# Altium PCB PCB1.PcbDoc (part 3 of 3)
Units mm, origin at the board's own origin, x right, y up, seen from the top; angles counter-clockwise.
Board outline 185.67 x 127.25 mm, 2 copper layers (Top Layer, Bottom Layer); 163 components, 132 nets, 740 pads, 201 vias.
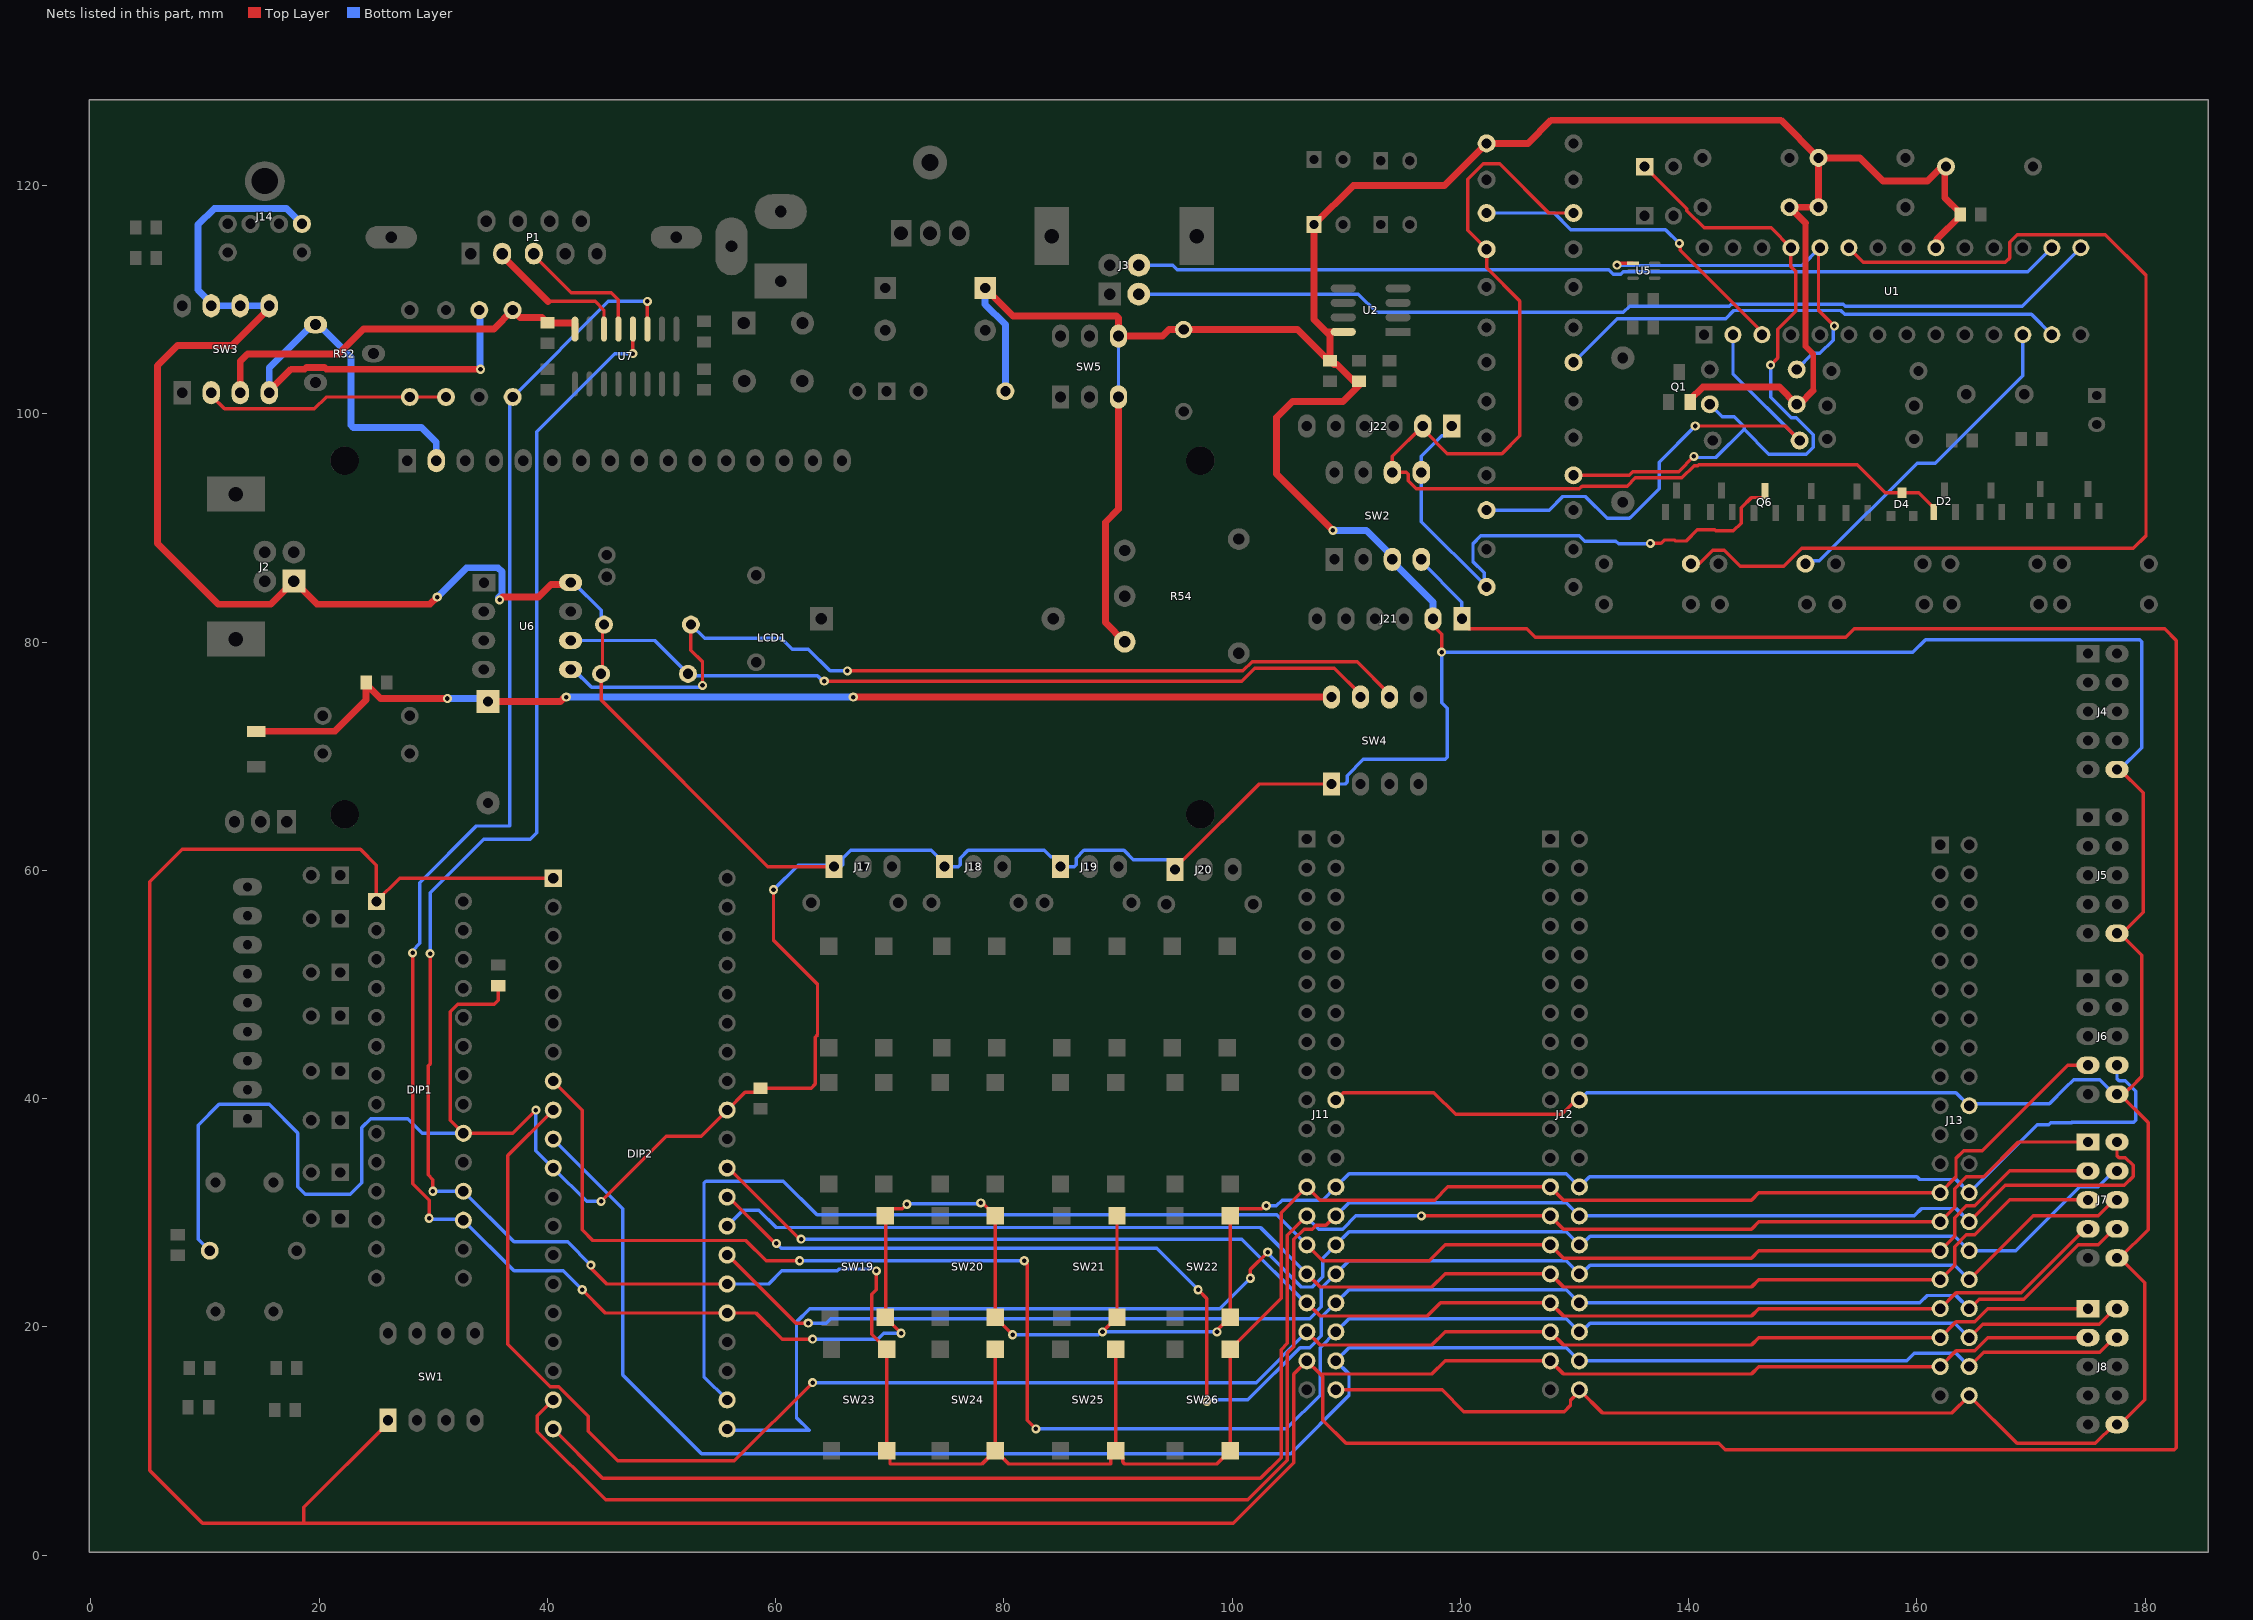
[diagram p3: the nets of this part, all layers, seen from the top]

## Via types
v1: diameter 0.8, hole 0.4, Top Layer to Bottom Layer, 201 vias

## Nets (pads, with @x,y where several pads share a name; then routed paths per layer and width w, separated by ;. In a path a pad name is that pad's centre, name@x,y a point inside that pad or via, vN(x,y) a via of type N, cw(c..) or ccw(c..) an arc to the next point about the centre after c; other vN are vias at no path point) (continued)
RC6: DIP1.17 DIP2.25 J6.8 J11.26 J12.26 J13.26 R38.1 SW19.2 SW19.3 SW20.2 SW20.3 SW21.2 SW21.3 SW22.2 SW22.3 U7.11 | length 304.4
  Top Layer w0.3: v1(28.194,52.768) 28.194,32.518 29.633,31.079 v1(29.633,29.506) ; v1(43.053,23.241) 45.085,21.209 DIP2.25@55.753,21.209 58.283,21.209 60.569,18.923 v1(63.246,18.923) ; U7.11@48.768,107.429 v1(48.768,109.855) ; v1(70.993,19.431) SW19.3@69.596,20.828 69.638,20.87 69.638,29.676 SW19.2@69.596,29.718 70.208,30.33 71.097,30.33 v1(71.501,30.734) ; v1(77.978,30.861) 78.105,30.861 SW20.2@79.248,29.718 SW20.3@79.248,20.828 v1(80.772,19.304) ; v1(88.646,19.558) SW21.3@89.916,20.828 SW21.2@89.916,29.718 ; v1@98.679,19.431 v1(98.679,19.558) 98.679,19.685 SW22.3@99.822,20.828 SW22.2@99.822,29.718 100.434,30.33 102.585,30.33 102.862,30.607 v1(102.997,30.607)
  Bottom Layer w0.3: v1(28.194,52.768) 28.194,52.959 28.829,53.594 28.829,58.928 33.782,63.881 36.719,63.881 36.719,101.235 R38.1@36.957,101.473 45.339,109.855 v1(48.768,109.855) ; v1(29.633,29.506) 29.718,29.422 32.554,29.422 DIP1.17@32.639,29.337 37.073,24.903 41.391,24.903 v1(43.053,23.241) ; v1(63.246,18.923) 68.961,18.923 69.469,19.431 v1(70.993,19.431) ; v1(71.501,30.734) 71.564,30.797 77.915,30.797 v1(77.978,30.861) ; v1(80.772,19.304) 88.257,19.304 88.511,19.558 v1(88.646,19.558) v1(98.679,19.558) ; v1(102.997,30.607) 103.886,30.607 104.383,31.104 107.939,31.104 J11.26@109.093,32.258 110.247,33.412 129.275,33.412 J12.26@130.429,32.258 131.318,33.147 160.02,33.147 160.263,32.904 163.438,32.904 J13.26@164.592,31.75 169.118,36.276 170.55,37.708 171.572,37.708 171.752,37.888 173.566,37.888 173.593,37.915 179.012,37.915 179.197,38.1 179.197,40.638 178.283,41.552 177.722,41.552 177.546,41.728 J6.8@177.546,42.926
RC7: DIP1.18 DIP2.26 J6.7 J11.25 J12.25 J13.25 SW23.2 SW23.3 SW24.2 SW24.3 SW25.2 SW25.3 SW26.2 SW26.3 U7.12 | length 299.6
  Top Layer w0.3: v1(29.718,52.705) 29.718,43.03 29.549,42.861 29.549,33.322 29.972,32.899 v1(29.972,31.877) ; v1@43.561,25.4 45.212,23.749 DIP2.26@55.753,23.749 ; v1(47.498,105.283) U7.12@47.498,107.429 ; v1(68.834,24.892) 68.834,23.241 68.43,22.837 68.43,19.327 SW23.2@69.723,18.034 SW23.3@69.723,9.144 70.026,8.841 70.026,7.978 78.082,7.978 SW24.3@79.248,9.144 ; SW24.2@79.248,18.034 SW24.3@79.248,9.144 ; SW25.2@89.789,18.034 SW25.3@89.789,9.144 ; J6.7@175.006,42.926 173.228,42.926 165.746,35.444 164.114,35.444 163.438,34.768 163.438,33.136 J13.25@162.052,31.75 146.162,31.75 145.516,31.104 129.043,31.104 J12.25@127.889,32.258 118.895,32.258 117.741,31.104 107.707,31.104 J11.25@106.553,32.258 104.291,29.996 104.291,22.503 SW26.2@99.822,18.034 SW26.3@99.822,9.144 98.656,7.978 90.574,7.978 90.401,8.151 90.401,8.532 SW25.3@89.789,9.144 ; SW24.3@79.248,9.144 80.414,7.978 89.359,7.978 89.359,8.714 SW25.3@89.789,9.144
  Bottom Layer w0.3: v1(29.718,52.705) 29.718,58.039 34.417,62.738 38.481,62.738 39.051,63.308 39.051,98.438 45.896,105.283 v1(47.498,105.283) ; v1(29.972,31.877) DIP1.18@32.639,31.877 37.073,27.443 41.772,27.443 v1(43.815,25.4) ; DIP2.26@55.753,23.749 59.408,23.749 60.551,24.892 65.411,24.892 65.58,25.061 68.665,25.061 v1(68.834,24.892)
RD0: DIP2.19 J7.2 J11.28 J12.28 J13.28 | length 174.3
  Top Layer w0.3: DIP2.19@40.513,13.589 39.116,12.192 39.116,10.814 45.104,4.826 101.367,4.826 104.845,8.304 104.845,17.703 105.399,18.257 105.399,27.656 106.307,28.564 107.031,28.564 107.353,28.886 108.228,28.886 109.06,29.718 J11.28@109.093,29.718 ; J13.28@164.592,29.21 167.767,32.385 178.179,32.385 178.966,33.172 178.966,34.138 178.283,34.821 177.722,34.821 177.546,34.997 J7.2@177.546,36.195
  Bottom Layer w0.3: J11.28@109.093,29.718 110.247,30.872 129.275,30.872 J12.28@130.429,29.718 159.766,29.718 160.412,30.364 163.438,30.364 J13.28@164.592,29.21
RD1: DIP2.20 J7.1 J11.27 J12.27 J13.27 | length 162.5
  Top Layer w0.3: DIP2.20@40.513,11.049 44.831,6.731 102.489,6.731 104.291,8.533 104.291,17.995 104.845,18.549 104.845,28.01 J11.27@106.553,29.718 ; v1(116.586,29.718) J12.27@127.889,29.718 129.043,28.564 145.516,28.564 146.162,29.21 J13.27@162.052,29.21 163.314,30.472 163.314,32.104 164.346,33.136 165.853,33.136 168.912,36.195 J7.1@175.006,36.195
  Bottom Layer w0.3: J11.27@106.553,29.718 106.553,29.591 107.58,28.564 109.696,28.564 110.85,29.718 v1(116.586,29.718)
RD2: DIP2.21 J7.4 J11.30 J12.30 J13.30 | length 144.4
  Top Layer w0.3: v1(101.6,24.257) 101.6,25.019 v1(103.124,26.543)
  Bottom Layer w0.3: DIP2.21@55.753,11.049 55.88,10.922 62.943,10.922 61.829,12.036 61.829,20.421 62.998,21.59 98.933,21.59 v1(101.6,24.257) ; v1(103.124,26.543) 103.124,26.435 106.075,23.484 107.031,23.484 107.939,24.392 107.939,26.024 J11.30@109.093,27.178 110.247,28.332 129.275,28.332 J12.30@130.429,27.178 130.602,27.178 131.364,27.94 163.322,27.94 J13.30@164.592,26.67 168.658,26.67 174.269,32.281 175.918,32.281 177.292,33.655 J7.4@177.546,33.655
RD3: DIP2.22 J7.3 J11.29 J12.29 J13.29 | length 149.2
  Top Layer w0.3: J11.29@106.553,27.178 107.939,25.792 117.281,25.792 118.667,27.178 J12.29@127.889,27.178 129.043,26.024 145.516,26.024 146.162,26.67 J13.29@162.052,26.67 163.314,27.932 163.314,29.564 164.346,30.596 165.07,30.596 168.129,33.655 J7.3@175.006,33.655
  Bottom Layer w0.3: DIP2.22@55.753,13.589 53.721,15.621 53.721,32.579 53.897,32.755 60.675,32.755 63.627,29.803 103.928,29.803 J11.29@106.553,27.178
RD4: DIP2.27 J7.6 J11.32 J12.32 J13.32 | length 131.7
  Top Layer w0.3: DIP2.27@55.753,26.289 55.816,26.289 61.785,20.32 v1(62.865,20.32) ; J13.32@164.592,24.13 170.203,29.741 175.918,29.741 177.292,31.115 J7.6@177.546,31.115
  Bottom Layer w0.3: v1(62.865,20.32) 64.435,20.32 64.827,20.712 106.799,20.712 107.831,21.744 107.831,23.376 J11.32@109.093,24.638 110.247,25.792 129.275,25.792 J12.32@130.429,24.638 130.602,24.638 131.364,25.4 163.322,25.4 J13.32@164.592,24.13
RD5: DIP2.28 J7.5 J11.31 J12.31 J13.31 | length 127.7
  Top Layer w0.3: J11.31@106.553,24.638 107.707,23.484 117.513,23.484 118.667,24.638 J12.31@127.889,24.638 129.043,23.484 145.516,23.484 146.162,24.13 J13.31@162.052,24.13 163.314,25.392 163.314,27.024 164.346,28.056 165.07,28.056 168.129,31.115 J7.5@175.006,31.115
  Bottom Layer w0.3: DIP2.28@55.753,28.829 57.139,30.215 58.539,30.215 60.052,28.702 102.489,28.702 J11.31@106.553,24.638
RD6: DIP2.29 J7.8 J11.34 J12.34 J13.34 | length 143.9
  Top Layer w0.3: DIP2.29@55.753,31.369 55.88,31.369 59.944,27.305 v1(60.071,27.305) ; v1(97.028,23.241) 97.79,22.479 v1(97.79,13.462) ; J13.34@164.592,21.59 164.625,21.59 165.457,22.422 169.382,22.422 174.161,27.201 175.918,27.201 177.292,28.575 J7.8@177.546,28.575
  Bottom Layer w0.3: v1(60.071,27.305) 60.494,26.882 93.387,26.882 v1(97.028,23.241) ; 97.409,13.589 101.367,13.589 105.95,18.172 106.799,18.172 107.831,19.204 107.831,20.836 J11.34@109.093,22.098 110.247,23.252 129.275,23.252 J12.34@130.429,22.098 160.274,22.098 160.92,22.744 163.438,22.744 J13.34@164.592,21.59
RD7: DIP2.30 J7.7 J11.33 J12.33 J13.33 | length 128.9
  Top Layer w0.3: DIP2.30@55.753,33.909 55.88,33.909 62.103,27.686 v1(62.23,27.686) ; J11.33@106.553,22.098 107.707,20.944 117.111,20.944 118.265,22.098 J12.33@127.889,22.098 129.043,20.944 145.516,20.944 146.162,21.59 J13.33@162.052,21.59 163.438,22.976 169.153,22.976 174.752,28.575 J7.7@175.006,28.575
  Bottom Layer w0.3: v1@62.103,27.813 v1(62.23,27.686) 100.844,27.686 106.432,22.098 J11.33@106.553,22.098
RE0: DIP2.8 J8.2 J11.36 J12.36 J13.36 | length 172.7
  Top Layer w0.3: DIP2.8@40.513,41.529 43.053,38.989 43.053,28.497 43.991,27.559 57.4,27.559 59.178,25.781 v1(62.103,25.781) ; v1(81.788,25.781) 82.042,25.527 82.042,11.811 v1(82.804,11.049) ; J13.36@164.592,19.05 165.761,20.219 175.984,20.219 177.355,21.59 J8.2@177.546,21.59
  Bottom Layer w0.3: v1(62.103,25.781) v1(81.788,25.781) ; v1(82.804,11.049) 104.756,11.049 107.707,14 107.707,18.172 J11.36@109.093,19.558 110.247,20.712 129.275,20.712 J12.36@130.429,19.558 130.602,19.558 131.364,20.32 163.322,20.32 J13.36@164.592,19.05
RE1: DIP2.9 J8.1 J11.35 J12.35 J13.35 | length 173.1
  Top Layer w0.3: DIP2.9@40.513,38.989 36.534,35.01 36.534,18.476 40.267,14.743 40.991,14.743 43.57,12.164 43.57,10.834 46.15,8.255 56.388,8.255 v1(63.246,15.113) ; J11.35@106.553,19.558 107.707,18.404 117.513,18.404 118.667,19.558 J12.35@127.889,19.558 129.043,18.404 145.516,18.404 146.162,19.05 J13.35@162.052,19.05 163.437,20.435 165.069,20.435 166.224,21.59 J8.1@175.006,21.59
  Bottom Layer w0.3: v1(63.246,15.113) 102.108,15.113 J11.35@106.553,19.558
RE2: DIP2.10 J8.4 J11.38 J12.38 J13.38 | length 166.5
  Top Layer w0.3: J13.38@164.592,16.51 165.86,17.778 176.02,17.778 177.292,19.05 J8.4@177.546,19.05
  Bottom Layer w0.3: DIP2.10@40.513,36.449 46.621,30.341 46.621,15.774 53.505,8.89 105.137,8.89 110.247,14 110.247,15.864 J11.38@109.093,17.018 110.247,18.172 129.275,18.172 J12.38@130.429,17.018 159.131,17.018 159.777,17.664 163.438,17.664 J13.38@164.592,16.51
RE3: DIP1.1 DIP2.1 J8.3 J11.37 J12.37 J13.37 J21.1 SW1.1 SW2.4 | length 511.4
  Top Layer w0.3: SW1.1@26.035,11.811 26.035,11.557 18.669,4.191 18.669,2.794 ; DIP2.1@40.513,59.309 27.051,59.309 DIP1.1@25.019,57.277 25.019,60.452 23.622,61.849 8.001,61.849 5.165,59.013 5.165,7.408 9.779,2.794 18.669,2.794 ; J21.1@120.142,82.042 120.142,81.788 120.754,81.176 125.813,81.176 126.559,80.43 153.786,80.43 154.509,81.153 181.737,81.153 182.753,80.137 182.753,9.401 182.577,9.225 143.203,9.225 142.649,9.779 109.982,9.779 107.939,11.822 107.939,15.632 107.707,15.864 ; J8.3@175.006,19.05 166.224,19.05 165.069,17.895 163.437,17.895 J13.37@162.052,16.51 146.162,16.51 145.516,15.864 129.043,15.864 J12.37@127.889,17.018 118.667,17.018 117.513,15.864 107.707,15.864 ; 18.669,2.794 100.119,2.794 105.399,8.074 105.399,15.864 J11.37@106.553,17.018 107.707,15.864
  Bottom Layer w0.3: SW2.4@116.586,87.249 116.586,87.064 120.142,83.508 J21.1@120.142,82.042
RTC_SCL: R48.1 SW4.7 U6.6 | length 72.4
  Top Layer w0.3: v1(64.262,76.581) 100.839,76.581 101.982,77.724 108.966,77.724 111.252,75.438 SW4.7@111.252,75.184
  Bottom Layer w0.3: U6.6@42.037,80.137 49.403,80.137 R48.1@52.324,77.216 52.499,77.041 63.667,77.041 64.127,76.581 v1(64.262,76.581)
RTC_SDA: R49.1 SW4.6 U6.5 | length 82.7
  Top Layer w0.3: R49.1@52.578,81.534 52.578,79.279 53.594,78.263 v1(53.594,76.2) ; v1(66.294,77.47) 100.944,77.47 101.752,78.278 110.952,78.278 113.792,75.438 SW4.6@113.792,75.184
  Bottom Layer w0.3: U6.5@42.037,77.597 42.291,77.597 43.863,76.025 53.419,76.025 v1(53.594,76.2) ; R49.1@52.578,81.534 53.779,80.333 60.51,80.333 61.468,79.375 62.861,79.375 64.766,77.47 v1(66.294,77.47)
RxIN: P1.3 U7.13 | length 11.7
  Top Layer w0.3: P1.3@38.811,114.046 38.811,113.881 42.075,110.617 45.593,110.617 46.228,109.982 U7.13@46.228,107.429
TxOUT: P1.2 U7.14 | length 12.7
  Top Layer w0.3: P1.2@36.043,113.881 P1.2@36.043,114.046 ; 40.069,109.855 44.196,109.855 44.958,109.093 U7.14@44.958,107.429
  Top Layer w0.6: P1.2@36.043,113.881 40.069,109.855
USB_D+: J3.3 U1.16 | length 81.3
  Bottom Layer w0.3: J3.3@91.821,113.03 94.806,113.03 95.21,112.626 132.998,112.626 133.398,112.226 134.064,112.226 134.275,112.437 169.714,112.437 U1.16@171.831,114.554
USB_D-: J3.2 U1.15 | length 85.7
  Bottom Layer w0.3: J3.2@91.821,110.49 111.07,110.49 112.663,108.897 134.294,108.897 134.829,109.432 143.556,109.432 143.732,109.608 153.573,109.608 153.749,109.432 169.249,109.432 U1.15@174.371,114.554
VCC: C2.1 C3.1 C17.1 C19.1 C20.1 C21.1 C23.1 C24.1 DIP1.20 DIP2.11 DIP2.32 J2.1 J4.10 J5.10 J6.10 J7.10 J8.10 J11.20 J11.40 J12.20 J12.40 J13.20 J13.40 J14.4 J17.1 J18.1 J19.1 J20.1 J21.2 Q1.2 R1.2 R2.1 R8.2 R9.2 R16.1 R32.2 R34.2 R48.2 R49.2 R51.2 R54.3 SW2.3 SW3.5 SW3.6 SW3.7 SW4.1 SW5.3 SW5.6 U1.20 U2.8 U6.8 | length 857.8
  Top Layer w0.3: C23.1@35.687,49.9 35.687,48.63 35.337,48.28 32.151,48.28 31.485,47.614 31.485,38.111 DIP1.20@32.639,36.957 36.957,36.957 v1(38.989,38.989) ; v1(44.704,30.988) 50.419,36.703 53.467,36.703 DIP2.32@55.753,38.989 57.319,40.555 58.324,40.555 C24.1@58.674,40.905 63.108,40.905 63.477,41.274 63.477,45.379 63.669,45.571 63.669,50.006 59.817,53.858 v1(59.817,58.293) ; R49.2@44.958,81.534 44.831,81.407 44.831,77.343 R48.2@44.704,77.216 44.704,74.924 59.303,60.325 J17.1@65.115,60.325 ; J20.1@94.996,60.071 94.996,60.325 95.608,60.937 95.735,60.937 102.362,67.564 SW4.1@108.712,67.564 ; J11.40@108.839,14.478 J11.40@109.093,14.478 118.399,14.478 120.304,12.573 129.11,12.573 129.655,13.118 129.655,13.555 130.429,14.329 J12.40@130.429,14.478 132.461,12.446 163.068,12.446 J13.40@164.592,13.97 168.783,9.779 175.641,9.779 177.292,11.43 J8.10@177.546,11.43 177.8,11.43 179.959,13.589 179.959,23.876 J7.10@177.8,26.035 ; J11.20@109.06,39.878 J11.20@109.093,39.878 109.728,40.513 117.68,40.513 119.585,38.608 128.905,38.608 130.175,39.878 J12.20@130.429,39.878 ; J21.2@117.602,82.042 117.602,81.457 118.364,80.695 v1(118.364,79.121) ; Q1.2@140.142,101.056 Q1.2@140.142,101.256 ; R16.1@149.479,100.838 R16.1@149.733,100.838 ; U1.20@161.671,114.554 U1.20@161.785,114.668 ; R32.2@162.215,121.666 R32.2@162.56,121.666 ; C17.1@163.808,117.35 C17.1@163.808,117.475 C17.1@163.808,117.6 ; J7.10@177.546,26.035 J7.10@177.8,26.035 ; J6.10@177.546,40.386 J6.10@177.8,40.386 ; J5.10@177.546,54.483 J5.10@177.8,54.483 ; J4.10@177.546,68.834 177.8,68.834 179.832,66.802 179.832,56.31 178.005,54.483 J5.10@177.8,54.483 ; J7.10@177.8,26.035 180.282,28.517 180.282,37.904 J6.10@177.8,40.386 ; J6.10@177.8,40.386 178.131,40.386 178.639,40.894 178.689,40.894 179.728,41.933 179.728,52.555 J5.10@177.8,54.483
  Top Layer w0.5: 150.241,116.713 150.241,105.918 150.924,105.235 150.924,102.029
  Top Layer w0.6: SW3.5@15.621,109.474 15.621,109.22 12.375,105.974 7.598,105.974 5.842,104.218 5.842,88.646 11.176,83.312 15.748,83.312 J2.1@17.78,85.344 19.805,83.319 29.725,83.319 v1(30.353,83.947) ; v1(35.814,83.693) 36.068,83.947 39.229,83.947 40.322,85.04 41.86,85.04 U6.8@42.037,85.217 ; C3.1@78.359,111.025 80.799,108.585 89.867,108.585 90.043,108.409 SW5.6@90.043,106.807 93.893,106.807 94.477,107.391 C2.1@95.758,107.391 105.728,107.391 108.46,104.659 C19.1@108.585,104.659 ; SW5.3@90.043,101.473 90.043,91.643 88.9,90.5 88.9,81.713 R54.3@90.585,80.028 ; v1(108.839,89.789) 103.886,94.742 103.886,99.695 105.283,101.092 109.728,101.092 111.125,102.489 C20.1@111.125,102.859 110.628,102.859 109.178,104.309 108.935,104.309 C19.1@108.585,104.659 ; U2.8@109.741,107.188 108.261,107.188 ; Q1.2@140.142,101.256 141.248,102.362 147.955,102.362 R16.1@149.479,100.838 ; R16.1@149.733,100.838 150.924,102.029 ; 150.241,116.713 R2.1@148.844,118.11 R8.2@151.384,118.11 R9.2@151.384,122.428 ; U1.20@161.785,114.668 161.785,115.327 C17.1@163.808,117.35 ; R32.2@162.215,121.666 160.945,120.396 157.05,120.396 155.018,122.428 R9.2@151.384,122.428 ; R32.2@162.56,121.666 162.444,121.55 162.444,118.964 C17.1@163.808,117.6 ; 108.261,107.188 108.585,106.864 C19.1@108.585,104.659 ; 108.261,107.188 107.188,108.261 C21.1@107.188,116.586 110.622,120.02 118.623,120.02 R34.2@122.301,123.698 125.935,123.698 127.967,125.73 148.082,125.73 R9.2@151.384,122.428
  Bottom Layer w0.3: R51.2@10.414,26.67 9.398,27.686 9.398,37.67 11.225,39.497 15.621,39.497 18.138,36.98 18.138,32.281 18.796,31.623 22.733,31.623 23.749,32.639 23.749,37.465 24.511,38.227 27.778,38.227 29.048,36.957 DIP1.20@32.639,36.957 ; v1@35.583,83.789 35.61,83.789 35.664,83.843 v1(35.814,83.693) ; v1(38.989,38.989) 38.989,35.433 DIP2.11@40.513,33.909 43.434,30.988 v1(44.704,30.988) ; U6.8@42.037,85.217 42.291,85.217 44.737,82.771 44.737,81.755 R49.2@44.958,81.534 ; v1(59.817,58.293) 61.976,60.452 64.988,60.452 J17.1@65.115,60.325 65.714,60.325 65.89,60.501 65.89,61.062 66.573,61.745 73.637,61.745 74.803,60.579 J18.1@74.803,60.325 76.001,60.325 76.177,60.501 76.177,61.062 76.86,61.745 83.543,61.745 84.097,61.191 84.351,61.191 84.963,60.579 J19.1@84.963,60.325 86.161,60.325 86.337,60.501 86.337,61.062 87.02,61.745 90.526,61.745 91.334,60.937 94.384,60.937 94.996,60.325 J20.1@94.996,60.071 ; SW5.3@90.043,101.473 SW5.6@90.043,106.807 ; SW4.1@108.712,67.564 109.91,67.564 110.086,67.74 110.086,68.301 111.508,69.723 118.696,69.723 118.872,69.899 118.872,74.188 118.364,74.696 v1(118.364,79.121) 159.66,79.121 160.76,80.221 179.529,80.221 179.705,80.045 179.705,70.739 177.8,68.834 J4.10@177.546,68.834 ; SW2.3@114.046,87.064 SW2.3@114.046,87.249 SW2.3@114.046,87.503 ; J12.20@130.429,39.878 131.064,40.513 159.004,40.513 159.015,40.524 163.438,40.524 J13.20@164.592,39.37 164.772,39.55 171.63,39.55 173.02,40.94 173.736,41.656 176.022,41.656 177.292,40.386 J6.10@177.546,40.386
  Bottom Layer w0.6: SW3.5@15.621,109.474 SW3.6@13.081,109.474 SW3.7@10.541,109.474 10.541,109.728 9.398,110.871 9.398,116.586 10.812,118 17.136,118 J14.4@18.49,116.646 ; v1(30.353,83.947) 32.914,86.508 35.688,86.508 36.012,86.183 36.012,84.2 v1@35.688,83.876 ; C3.1@78.359,111.025 78.359,109.601 80.137,107.823 R1.2@80.137,101.981 ; v1(108.839,89.789) 111.76,89.789 SW2.3@114.046,87.503 ; SW2.3@114.046,87.064 117.602,83.508 J21.2@117.602,82.042
VCC_LCD: LCD1.2 R18.1 R52.1 SW3.4 | length 52.6
  Top Layer w0.6: SW3.4@15.621,101.854 15.621,101.981 17.549,103.909 18.736,103.909 18.886,104.059 20.484,104.059 20.634,103.909 v1(34.14,103.909) v1@34.163,103.886
  Bottom Layer w0.3: R18.1@34.036,109.093 R18.1@34.088,109.041 ; v1@34.088,103.961 v1(34.14,103.909)
  Bottom Layer w0.6: SW3.4@15.621,101.854 15.621,104.013 19.431,107.823 R52.1@19.685,107.823 19.939,107.823 22.787,104.975 22.787,99.006 22.987,98.806 28.956,98.806 30.265,97.497 LCD1.2@30.265,95.897 ; v1@34.088,103.961 R18.1@34.088,109.041
VCC_MOTOR: C4.1 D14.2 MG1.1 SW4.8 | length 97.7
  Top Layer w0.3: C4.1@24.119,76.329 C4.1@24.119,76.454
  Top Layer w0.6: MG1.1@14.478,72.162 14.508,72.192 21.392,72.192 24.119,74.919 24.119,76.329 25.391,75.057 v1(31.242,75.057) ; D14.2@34.798,74.803 41.14,74.803 41.521,75.184 v1(41.656,75.184) ; v1(66.802,75.184) SW4.8@108.712,75.184
  Bottom Layer w0.3: D14.2@34.544,75.057 D14.2@34.798,74.803
  Bottom Layer w0.6: v1(31.242,75.057) D14.2@34.544,75.057 ; v1(41.656,75.184) v1(66.802,75.184)
VCC_PS2: R40.2 R41.2 SW3.2 | length 21.7
  Top Layer w0.3: SW3.2@10.541,101.854 10.541,101.6 11.707,100.434 19.577,100.434 20.616,101.473 R40.2@27.94,101.473 R41.2@31.115,101.473
VCC_UART: C31.2 R38.2 SW3.3 U7.16 | length 34.9
  Top Layer w0.6: SW3.3@13.081,101.854 13.081,104.599 13.739,105.258 21.692,105.258 23.881,107.447 35.311,107.447 R38.2@36.957,109.093 37.595,108.455 39.522,108.455 C31.2@40.005,107.972 42.321,107.972 42.418,107.875 U7.16@42.418,107.429
VDD_TGT_ADJ: R4.2 U1.13 | length 44.7
  Bottom Layer w0.3: R4.2@129.921,104.521 133.743,108.343 143.25,108.343 143.961,109.054 153.344,109.054 153.686,108.712 170.053,108.712 U1.13@171.831,106.934
VDD_TGT_FB: R26.2 U1.3 | length 29
  Top Layer w0.3: v1(139.192,114.935) 139.288,114.839 139.288,114.348 146.431,107.205 U1.3@146.431,106.934
  Bottom Layer w0.3: R26.2@122.301,117.602 128.236,117.602 129.692,116.147 137.98,116.147 v1(139.192,114.935)
VDD_TGT_N: R12.1 U1.24 U5.1 | length 33.2
  Top Layer w0.3: v1(133.731,113.03) 133.888,113.187 U5.1@135.133,113.187 ; U1.24@151.511,114.554 151.384,114.427 151.384,109.093 v1(152.781,107.696)
  Bottom Layer w0.3: v1(133.731,113.03) 133.762,112.999 149.956,112.999 U1.24@151.511,114.554 ; R12.1@149.479,103.886 150.886,105.293 151.502,105.293 152.665,106.456 152.665,107.812 v1(152.781,107.696)
VDD_TGT_OUTPUT: D2.1 D4.1 J22.2 R13.2 R26.1 SW2.6 | length 102.7
  Top Layer w0.3: R26.1@129.921,117.602 127.762,117.602 123.441,121.923 122.016,121.923 120.65,120.557 120.65,116.078 R13.2@122.301,114.427 122.301,112.81 125.222,109.889 125.222,98.093 123.649,96.52 118.872,96.52 116.713,98.679 J22.2@116.713,98.933 114.046,96.266 SW2.6@114.046,94.869 115.244,94.869 115.42,94.693 115.42,94.132 116.128,93.424 130.414,93.424 130.664,93.673 134.631,93.673 135.341,94.383 139.405,94.383 140.484,95.462 140.795,95.462 140.879,95.546 154.769,95.546 157.224,93.091 D4.1@158.725,93.091 160.171,93.091 161.483,91.779 D2.1@161.483,91.379
VDD_TGT_P: D17.1 R16.2 R30.1 U1.25 | length 64.2
  Top Layer w0.3: R30.1@129.921,94.615 134.789,94.615 135.111,94.937 139.133,94.937 v1(140.462,96.266) ; D17.1@136.144,121.666 139.85,117.96 139.85,117.799 141.358,116.291 147.234,116.291 U1.25@148.971,114.554 148.971,112.913 149.394,112.49 149.394,108.989 147.817,107.412 147.817,104.891 v1(147.193,104.267)
  Bottom Layer w0.3: v1(140.462,96.266) 140.556,96.172 142.4,96.172 144.864,98.636 ; R16.2@141.859,100.838 142.958,99.739 144.009,99.739 144.864,98.884 144.864,98.636 ; v1(147.193,104.267) 147.193,101.439 148.986,99.647 149.434,99.647 150.924,98.156 150.924,97.076 150.32,96.472 147.028,96.472 144.864,98.636
VPP_FEEDBACK: R22.1 R24.2 U1.2 | length 45.7
  Top Layer w0.3: v1(140.589,98.933) 148.463,98.933 R22.1@149.733,97.663
  Bottom Layer w0.3: R24.2@122.301,91.567 127.79,91.567 128.981,92.758 130.941,92.758 132.867,90.833 134.827,90.833 135.098,91.104 137.414,93.42 137.414,95.758 v1(140.589,98.933) ; U1.2@143.891,106.934 143.891,103.505 R22.1@149.733,97.663
VPP_ON: R27.2 U1.23 | length 94.7
  Top Layer w0.3: R27.2@140.208,86.868 140.936,86.868 142.128,88.059 143.114,88.059 144.521,86.653 148.341,86.653 149.909,88.221 178.977,88.221 180.086,89.33 180.086,112.141 176.519,115.708 168.813,115.708 168.137,115.032 168.137,113.654 167.767,113.284 155.321,113.284 U1.23@154.051,114.554
VPP_OUTPUT: J22.1 Q6.3 R28.2 SW2.5 | length 50.9
  Top Layer w0.3: v1(136.652,88.646) 137.588,88.646 137.884,88.942 138.775,88.942 138.859,88.858 139.791,88.858 140.764,89.831 142.307,89.831 142.391,89.747 143.934,89.747 144.611,90.424 144.611,91.765 145.514,92.668 146.535,92.668 146.685,92.818 Q6.3@146.685,93.218
  Bottom Layer w0.3: J22.1@119.253,98.933 119.253,98.679 118.641,98.067 118.387,98.067 116.586,96.266 SW2.5@116.586,94.869 116.586,90.551 R28.2@122.08,85.057 ; R28.2@122.301,84.836 R28.2@122.08,85.057 ; v1(136.652,88.646) 136.61,88.604 133.878,88.604 133.628,88.854 130.89,88.854 130.414,89.329 121.808,89.329 121.11,88.631 121.11,87.043 122.08,86.073 R28.2@122.08,85.057
VPP_PUMP: R21.1 U1.12 | length 29.5
  Bottom Layer w0.3: R21.1@150.241,86.868 150.485,87.112 151.467,87.112 160.028,95.673 161.625,95.673 169.291,103.339 U1.12@169.291,106.934
pads on no net: D2.2 D3.2 D4.3 J1.3 J2.5 J2.6 J3.5 J3.6 J8.5 J8.6 J8.7 J8.8 J14.2 J14.6 J14.S J17.3 J18.3 J19.3 J20.3 J21.6 LCD1.7 LCD1.8 LCD1.9 LCD1.10 LCD1.HOLE LCD1.HOLF LCD1.HOLG LCD1.HOLH P1.7 P1.8 P1.9 P1.Hole49 P1.Hole50 R54.4 R54.5 REG1.4 SW5.1 SW5.4 U1.1 U1.17 U1.18 U1.27 U1.28 U2.5 U2.6 U2.7 U6.7 U7.7 U7.8 U7.9 U7.10
copper on no net:
  other v1: 68.072,54.864

## Polygon pours and split planes (outlines as drawn)
GND on Bottom Layer "Bottom Layer-GND" (solid, pour order 22): -0.254,0.127 -0.381,0.254 -0.381,127.635 185.039,127.635 185.42,127.254 185.42,-0.127 0.381,-0.127
GND on Bottom Layer "Bottom Layer-GND 1" (solid, pour order 4): 1.905,0
GND on Top Layer "Top Layer-GND" (solid, pour order 24): 0.064,0 -0.635,0.699 -0.635,127.381 185.293,127.381 185.42,127.254 185.293,127.127 185.293,-0.381 -0.254,-0.381 -0.381,-0.508

## Silkscreen, mask and mechanical layers (free items; w line width, h text height)
Top Overlay:
  lines w0.254: 31.242,10.287 31.623,10.16 33.147,10.16 33.503,10.338 ; 111.252,76.962 111.76,77.216 113.284,77.216 113.792,76.962
  text "MAX232" at 42.672,109.474 h0.76
  text "POWER ON/OFF" at 72.39,99.441 h0.76
  text "LCD" at 16.002,98.044 h0.76 r90
  text "USB" at 8.382,97.917 h0.76 r90
  text "UART" at 13.462,97.409 h0.76 r90
  text "PS/2" at 10.795,97.282 h0.76 r90
  text "VSS" at 28.321,92.075 h0.76 r90
  text "VDD" at 30.861,92.075 h0.76 r90
  text "VD" at 33.274,92.075 h0.76 r90
  text "RS" at 35.814,92.075 h0.76 r90
  text "R/W" at 38.608,92.075 h0.76 r90
  text "EN" at 41.021,92.075 h0.76 r90
  text "D0" at 43.434,92.075 h0.76 r90
  text "D1" at 45.974,92.075 h0.76 r90
  text "D2" at 48.641,92.075 h0.76 r90
  text "D3" at 51.181,92.075 h0.76 r90
  text "D4" at 53.721,92.075 h0.76 r90
  text "D5" at 56.388,92.075 h0.76 r90
  text "D6" at 58.801,92.075 h0.76 r90
  text "D7" at 61.341,92.075 h0.76 r90
  text "+" at 64.135,92.075 h0.76 r90
  text "-" at 66.548,92.075 h0.76 r90
  text "NC" at 43.434,89.535 h0.76 r90
  text "RB2" at 35.814,89.408 h0.76 r90
  text "GND" at 38.735,89.408 h0.76 r90
  text "RB3" at 41.021,89.408 h0.76 r90
  text "NC" at 45.974,89.408 h0.76 r90
  text "NC" at 48.514,89.408 h0.76 r90
  text "NC" at 51.308,89.408 h0.76 r90
  text "RB4" at 53.594,89.408 h0.76 r90
  text "RB5" at 56.261,89.408 h0.76 r90
  text "RB6" at 58.547,89.408 h0.76 r90
  text "RB7" at 61.341,89.408 h0.76 r90
  text "0" at 179.578,78.613 h0.76
  text "0" at 179.578,78.613 h0.76
  text "1" at 172.466,78.486 h0.76
  text "RTC" at 112.776,78.105 h0.76 r90
  text "ADC" at 116.84,77.724 h0.76 r90
  text "PWM" at 109.093,77.47 h0.76 r90
  text "2" at 179.578,76.2 h0.76
  text "3" at 172.466,76.073 h0.76
  text "4" at 179.578,73.787 h0.76
  text "5" at 172.466,73.66 h0.76
  text "6" at 179.578,71.247 h0.76
  text "7" at 172.466,70.993 h0.76
  text "+" at 179.578,68.58 h0.76
  text "-" at 172.466,68.453 h0.76
  text "0" at 179.451,64.262 h0.76
  text "1" at 172.466,64.008 h0.76
  text "VCC" at 94.107,61.595 h0.76
  text "2" at 179.451,61.595 h0.76
  text "3" at 172.466,61.468 h0.76
  text "RA2" at 133.096,59.817 h0.76
  text "RA3" at 102.794,59.69 h0.76
  text "RA2" at 110.998,59.69 h0.76
  text "RA3" at 123.749,59.436 h0.76
  text "RA2" at 167.005,59.309 h0.76
  text "RA3" at 157.861,59.182 h0.76
  text "4" at 179.451,59.182 h0.76
  text "5" at 172.466,58.928 h0.76
  text "RA4" at 133.096,57.277 h0.76
  text "RA4" at 110.998,57.15 h0.76
  text "RA5" at 102.794,57.023 h0.76
  text "RA5" at 123.749,57.023 h0.76
  text "RA4" at 167.005,57.023 h0.76
  text "RA5" at 157.861,56.769 h0.76
  text "6" at 179.451,56.769 h0.76
  text "7" at 172.466,56.515 h0.76
  text "RB0" at 8.382,56.388 h0.76
  text "RC0" at 66.421,54.737 h0.76
  text "RC1" at 76.2,54.737 h0.76
  text "RC2" at 86.487,54.737 h0.76
  text "RC3" at 96.139,54.737 h0.76
  text "RA6" at 110.998,54.61 h0.76
  text "RA6" at 133.096,54.61 h0.76
  text "RA6" at 167.005,54.61 h0.76
  text "RA7" at 102.794,54.356 h0.76
  text "RA7" at 123.749,54.356 h0.76
  text "RA7" at 157.861,54.229 h0.76
  text "+" at 179.451,54.102 h0.76
  text "RB1" at 8.382,53.975 h0.76
  text "-" at 172.466,53.848 h0.76
  text "RB0" at 110.998,52.07 h0.76
  text "RB0" at 133.096,52.07 h0.76
  text "RB1" at 102.794,51.943 h0.76
  text "RB0" at 123.749,51.943 h0.76
  text "RB0" at 167.005,51.816 h0.76
  text "RB1" at 157.861,51.689 h0.76
  text "RB2" at 8.382,51.435 h0.76
  text "0" at 179.578,50.292 h0.76
  text "1" at 172.72,50.165 h0.76
  text "RB2" at 110.998,49.53 h0.76
  text "RB2" at 133.096,49.53 h0.76
  text "RB3" at 102.794,49.403 h0.76
  text "RB3" at 123.749,49.276 h0.76
  text "RB3" at 157.861,49.276 h0.76
  text "RB2" at 167.005,49.276 h0.76
  text "RB3" at 8.382,48.895 h0.76
  text "RC4" at 60.833,48.387 h0.76
  text "3" at 172.593,47.625 h0.76
  text "2" at 179.578,47.498 h0.76
  text "RB4" at 133.096,46.99 h0.76
  text "RB4" at 110.998,46.863 h0.76
  text "RB5" at 123.749,46.863 h0.76
  text "RB5" at 102.794,46.736 h0.76
  text "RB5" at 157.861,46.736 h0.76
  text "RB4" at 167.005,46.609 h0.76
  text "RB4" at 8.382,46.355 h0.76
  text "5" at 172.593,45.085 h0.76
  text "4" at 179.578,44.958 h0.76
  text "RB7" at 102.794,44.45 h0.76
  text "RB6" at 110.998,44.323 h0.76
  text "RB6" at 133.096,44.323 h0.76
  text "RB7" at 123.749,44.196 h0.76
  text "RB7" at 157.861,44.196 h0.76
  text "RB6" at 167.005,44.069 h0.76
  text "RB5" at 8.382,43.815 h0.76
  text "1" at 66.675,42.672 h0.76
  text "2" at 76.708,42.672 h0.76
  text "A" at 97.282,42.672 h0.76
  text "3" at 87.376,42.545 h0.76
  text "6" at 179.578,42.545 h0.76
  text "7" at 172.593,42.291 h0.76
  text "RC0" at 110.998,41.91 h0.76
  text "RC1" at 102.794,41.783 h0.76
  text "RC0" at 133.096,41.783 h0.76
  text "RC1" at 123.749,41.656 h0.76
  text "RC1" at 157.861,41.529 h0.76
  text "RC0" at 167.005,41.529 h0.76
  text "RB6" at 8.382,41.275 h0.76
  text "+" at 179.578,40.132 h0.76
  text "-" at 172.593,39.878 h0.76
  text "VCC" at 133.096,39.497 h0.76
  text "GND" at 102.794,39.37 h0.76
  text "VCC" at 110.998,39.37 h0.76
  text "VCC" at 167.005,39.243 h0.76
  text "GND" at 123.749,38.989 h0.76
  text "GND" at 157.861,38.735 h0.76
  text "RB7" at 8.382,38.608 h0.76
  text "RC2" at 110.998,36.83 h0.76
  text "RC5" at 60.833,36.703 h0.76
  text "RC3" at 102.794,36.703 h0.76
  text "RC2" at 133.096,36.703 h0.76
  text "RC2" at 167.005,36.703 h0.76
  text "RC3" at 123.749,36.576 h0.76
  text "RC3" at 157.861,36.322 h0.76
  text "1" at 172.339,35.814 h0.76
  text "0" at 179.832,35.814 h0.76
  text "RC4" at 110.998,34.29 h0.76
  text "RC5" at 102.794,34.163 h0.76
  text "RC4" at 133.096,34.163 h0.76
  text "RC5" at 123.749,33.909 h0.76
  text "RC5" at 157.861,33.909 h0.76
  text "RC4" at 167.005,33.782 h0.76
  text "2" at 179.832,33.274 h0.76
  text "3" at 172.339,33.147 h0.76
  text "RC7" at 102.794,31.75 h0.76
  text "RC6" at 110.998,31.623 h0.76
  text "RC7" at 123.749,31.623 h0.76
  text "RC6" at 133.096,31.623 h0.76
  text "RC6" at 167.005,31.369 h0.76
  text "RC7" at 157.861,31.242 h0.76
  text "4" at 66.929,30.861 h0.76
  text "5" at 76.835,30.861 h0.76
  text "B" at 97.282,30.861 h0.76
  text "5" at 172.339,30.734 h0.76
  text "4" at 179.832,30.734 h0.76
  text "6" at 87.503,30.607 h0.76
  text "RD0" at 133.096,29.337 h0.76
  text "RD0" at 110.998,29.21 h0.76
  text "RD1" at 102.794,29.083 h0.76
  text "RD1" at 123.749,28.956 h0.76
  text "RD1" at 157.861,28.956 h0.76
  text "RD0" at 167.005,28.829 h0.76
  text "7" at 172.339,28.194 h0.76
  text "6" at 179.832,28.067 h0.76
  text "RD2" at 110.998,26.67 h0.76
  text "RD2" at 133.096,26.67 h0.76
  text "RD3" at 102.794,26.543 h0.76
  text "RD3" at 123.749,26.416 h0.76
  text "RD3" at 157.861,26.416 h0.76
  text "RD2" at 167.005,26.162 h0.76
  text "+" at 179.832,25.654 h0.76
  text "-" at 172.339,25.527 h0.76
  text "RC6" at 60.833,24.892 h0.76
  text "RD4" at 133.096,24.13 h0.76
  text "RD4" at 110.998,24.003 h0.76
  text "RD5" at 102.794,23.876 h0.76
  text "RD5" at 123.749,23.876 h0.76
  text "RD5" at 157.861,23.749 h0.76
  text "RD4" at 167.005,23.622 h0.76
  text "RD7" at 102.794,21.463 h0.76
  text "RD6" at 110.998,21.463 h0.76
  text "RD6" at 133.096,21.463 h0.76
  text "0" at 179.578,21.463 h0.76
  text "RD7" at 123.749,21.336 h0.76
  text "RD6" at 167.005,21.336 h0.76
  text "1" at 172.466,21.336 h0.76
  text "RD7" at 157.861,21.209 h0.76
  text "8" at 76.581,19.177 h0.76
  text "9" at 87.503,19.177 h0.76
  text "7" at 67.056,19.05 h0.76
  text "C" at 97.282,19.05 h0.76
  text "RE0" at 110.998,19.05 h0.76
  text "RE1" at 123.749,18.923 h0.76
  text "RE0" at 133.096,18.923 h0.76
  text "RE1" at 102.794,18.796 h0.76
  text "2" at 179.578,18.796 h0.76
  text "RE1" at 157.861,18.669 h0.76
  text "3" at 172.212,18.669 h0.76
  text "RE0" at 167.005,18.415 h0.76
  text "RE2" at 110.998,16.51 h0.76
  text "RE2" at 133.096,16.51 h0.76
  text "RE3" at 102.794,16.383 h0.76
  text "RE3" at 123.749,16.383 h0.76
  text "4" at 179.578,16.383 h0.76
  text "5" at 172.212,16.256 h0.76
  text "RE2" at 167.005,16.129 h0.76
  text "RE3" at 157.861,16.002 h0.76
  text "7" at 172.212,13.97 h0.76
  text "6" at 179.578,13.716 h0.76
  text "RC7" at 60.833,13.081 h0.76
  text "+" at 179.578,11.176 h0.76
  text "-" at 172.212,11.049 h0.76
  text "RST" at 26.289,7.366 h0.76 r90
  text "LED" at 28.829,7.366 h0.76 r90
  text "0" at 76.835,7.239 h0.76
  text "XTAL" at 32.893,7.112 h0.76 r90
  text "*" at 67.183,7.112 h0.76
  text "#" at 87.376,7.112 h0.76
  text "D" at 97.282,7.112 h0.76

## Text inside footprints (layer, text, board x,y; h text height)
C12: Top Overlay "+" at 112.903,123.012 h1.2
C14: Top Overlay "+" at 112.903,117.424 h1.2
C15: Top Overlay "+" at 176.606,101.727 h1.2 r270
C21: Top Overlay "+" at 107.061,117.424 h1.2
C22: Top Overlay "+" at 107.061,123.139 h1.2
J11: Top Overlay "GND" at 102.743,14.097 h0.76; Top Overlay "VCC" at 111.125,14.097 h0.76; Top Overlay "RA0" at 111.125,62.738 h0.76; Top Overlay "RA1" at 102.743,62.484 h0.76
J12: Top Overlay "GND" at 123.698,13.97 h0.76; Top Overlay "VCC" at 133.096,14.097 h0.76; Top Overlay "RA0" at 132.969,62.484 h0.76; Top Overlay "RA1" at 123.825,61.976 h0.76
J13: Top Overlay "RA1" at 157.861,61.468 h0.76; Top Overlay "RA0" at 166.878,61.595 h0.76; Top Overlay "GND" at 157.861,13.335 h0.76; Top Overlay "VCC" at 166.878,13.462 h0.76